# Altium PCB BA-77GHz-Radar_Frontend.PcbDoc (part 1 of 4)
Units mm, origin at the board's own origin, x right, y up, seen from the top; angles counter-clockwise.
Board outline 160 x 110 mm, 6 copper layers (Top Copper, Signal Layer 1, Signal Layer 2, Signal Layer 3, Signal Layer 4, Bot Copper), stack 1.67 mm thick; 271 components, 238 nets, 1207 pads, 1481 vias.
Unrouted connection lines stored in the file: 391.
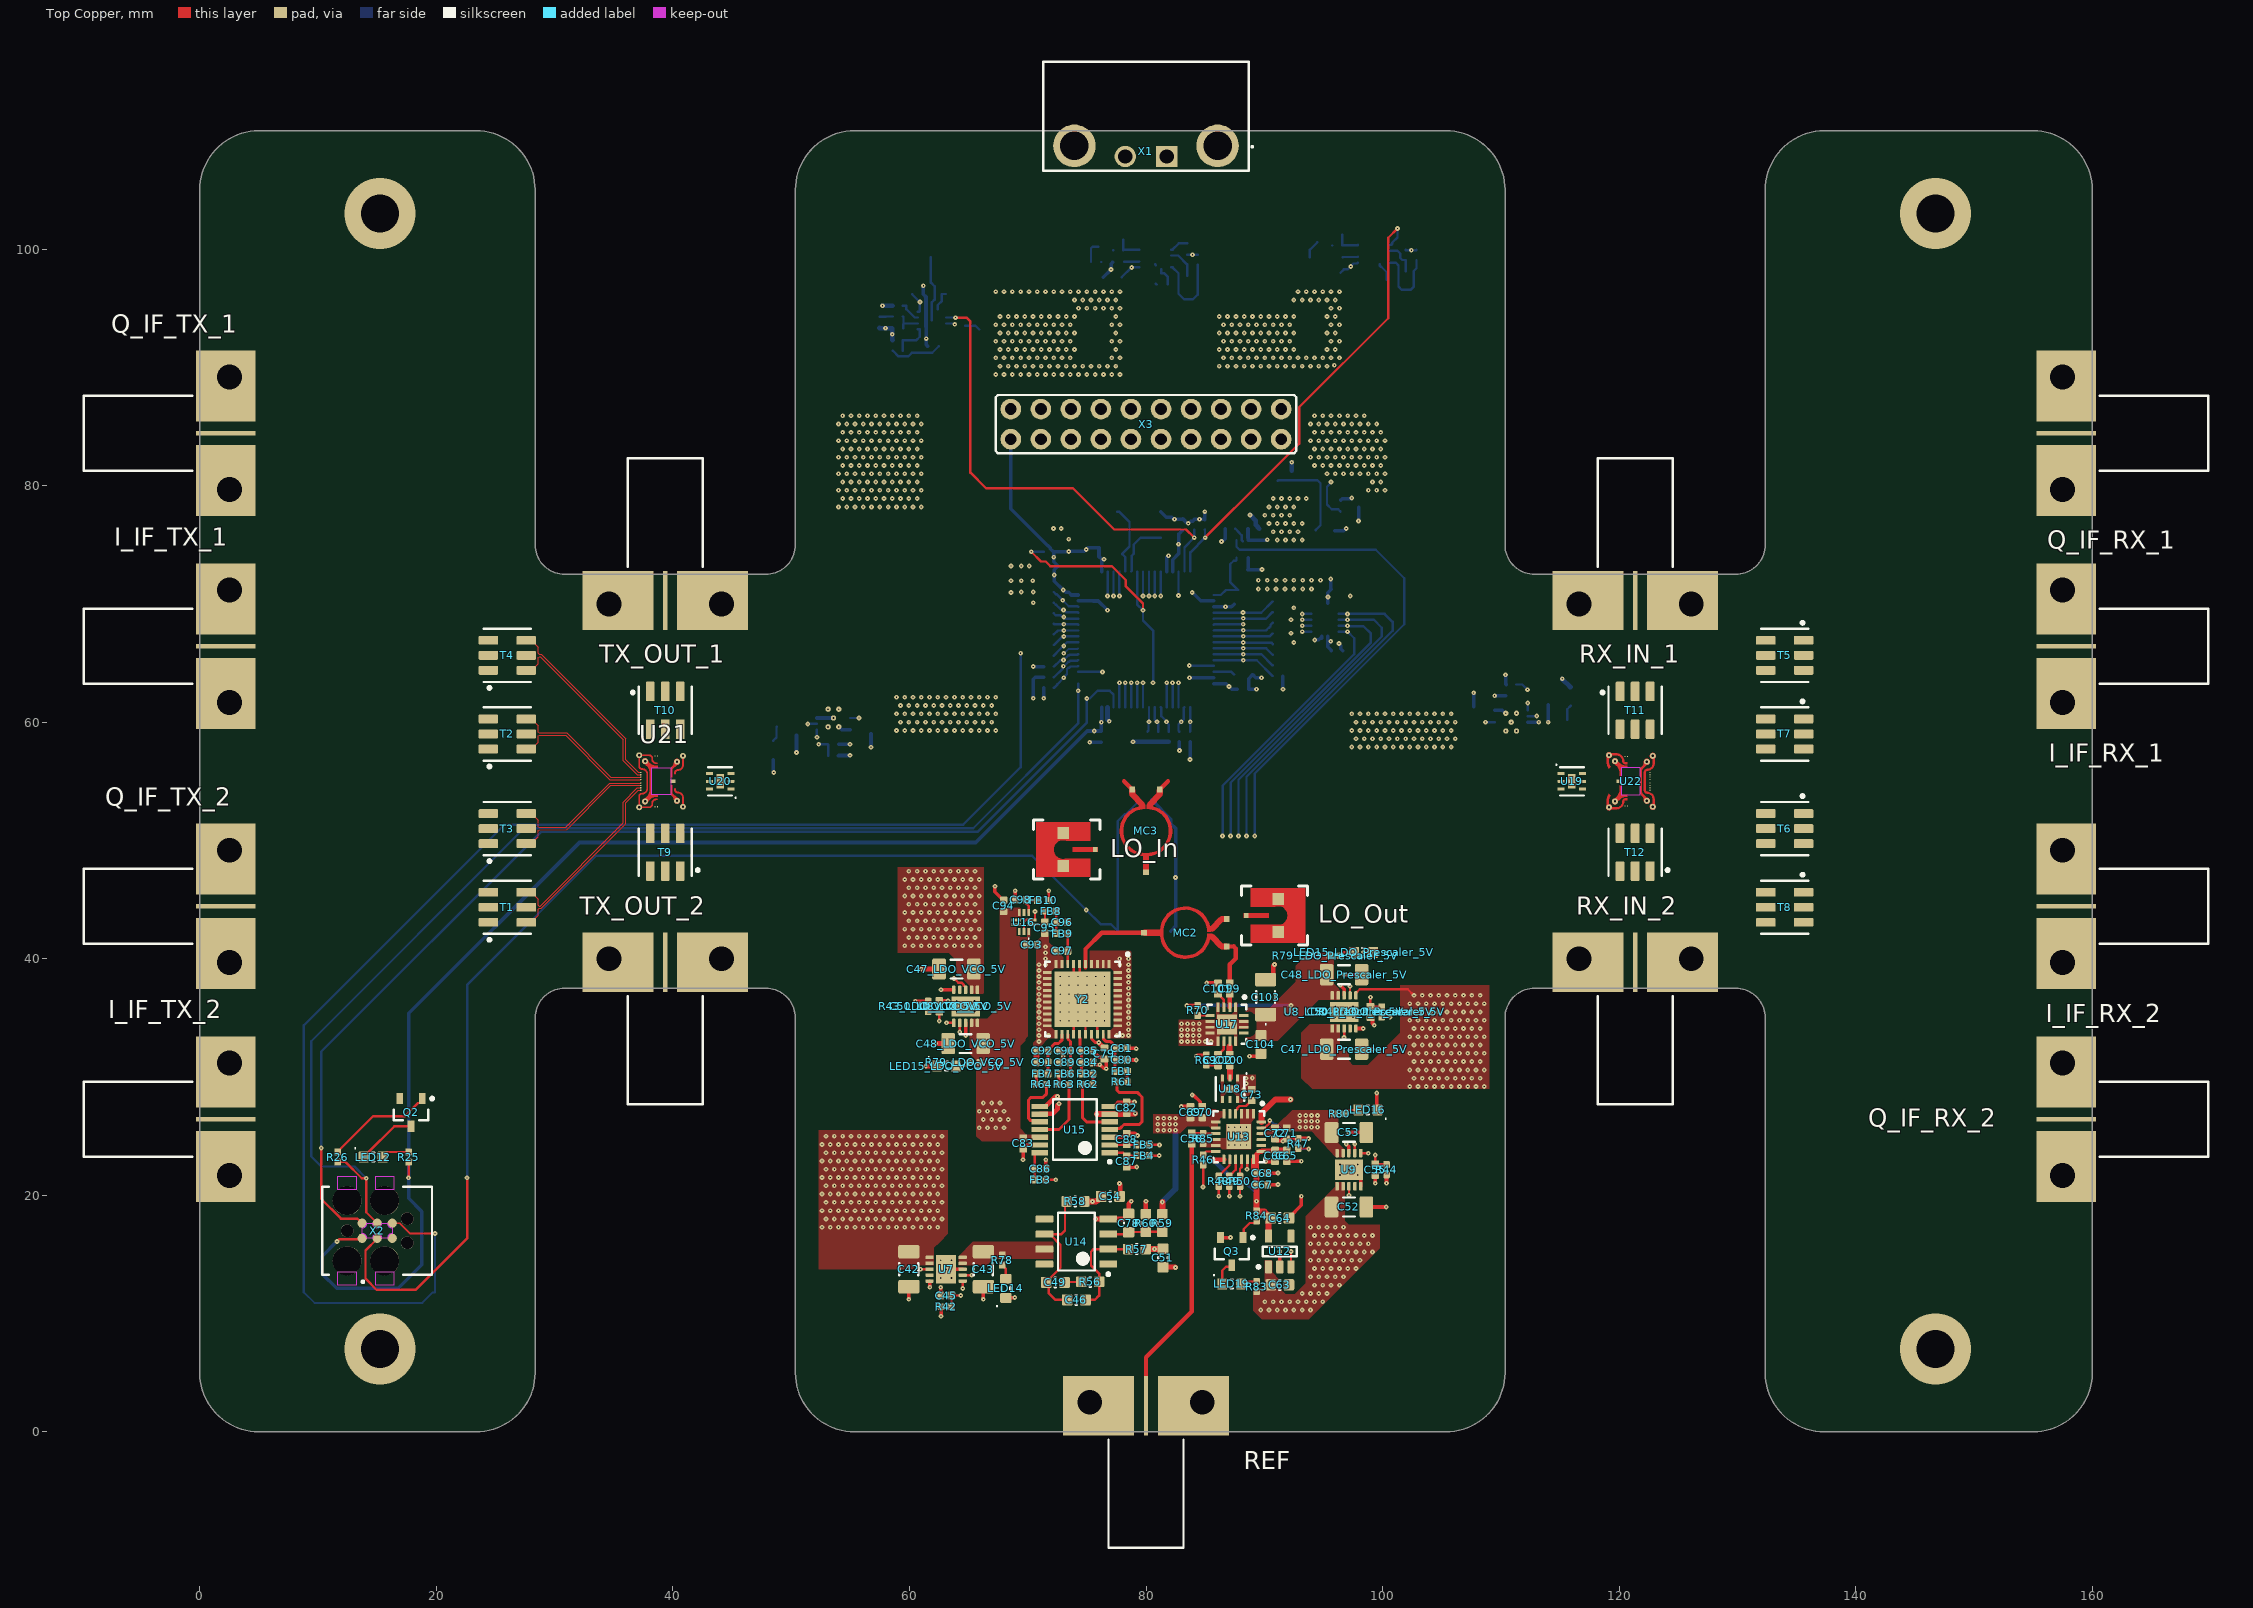
[diagram p0: Top Copper view]
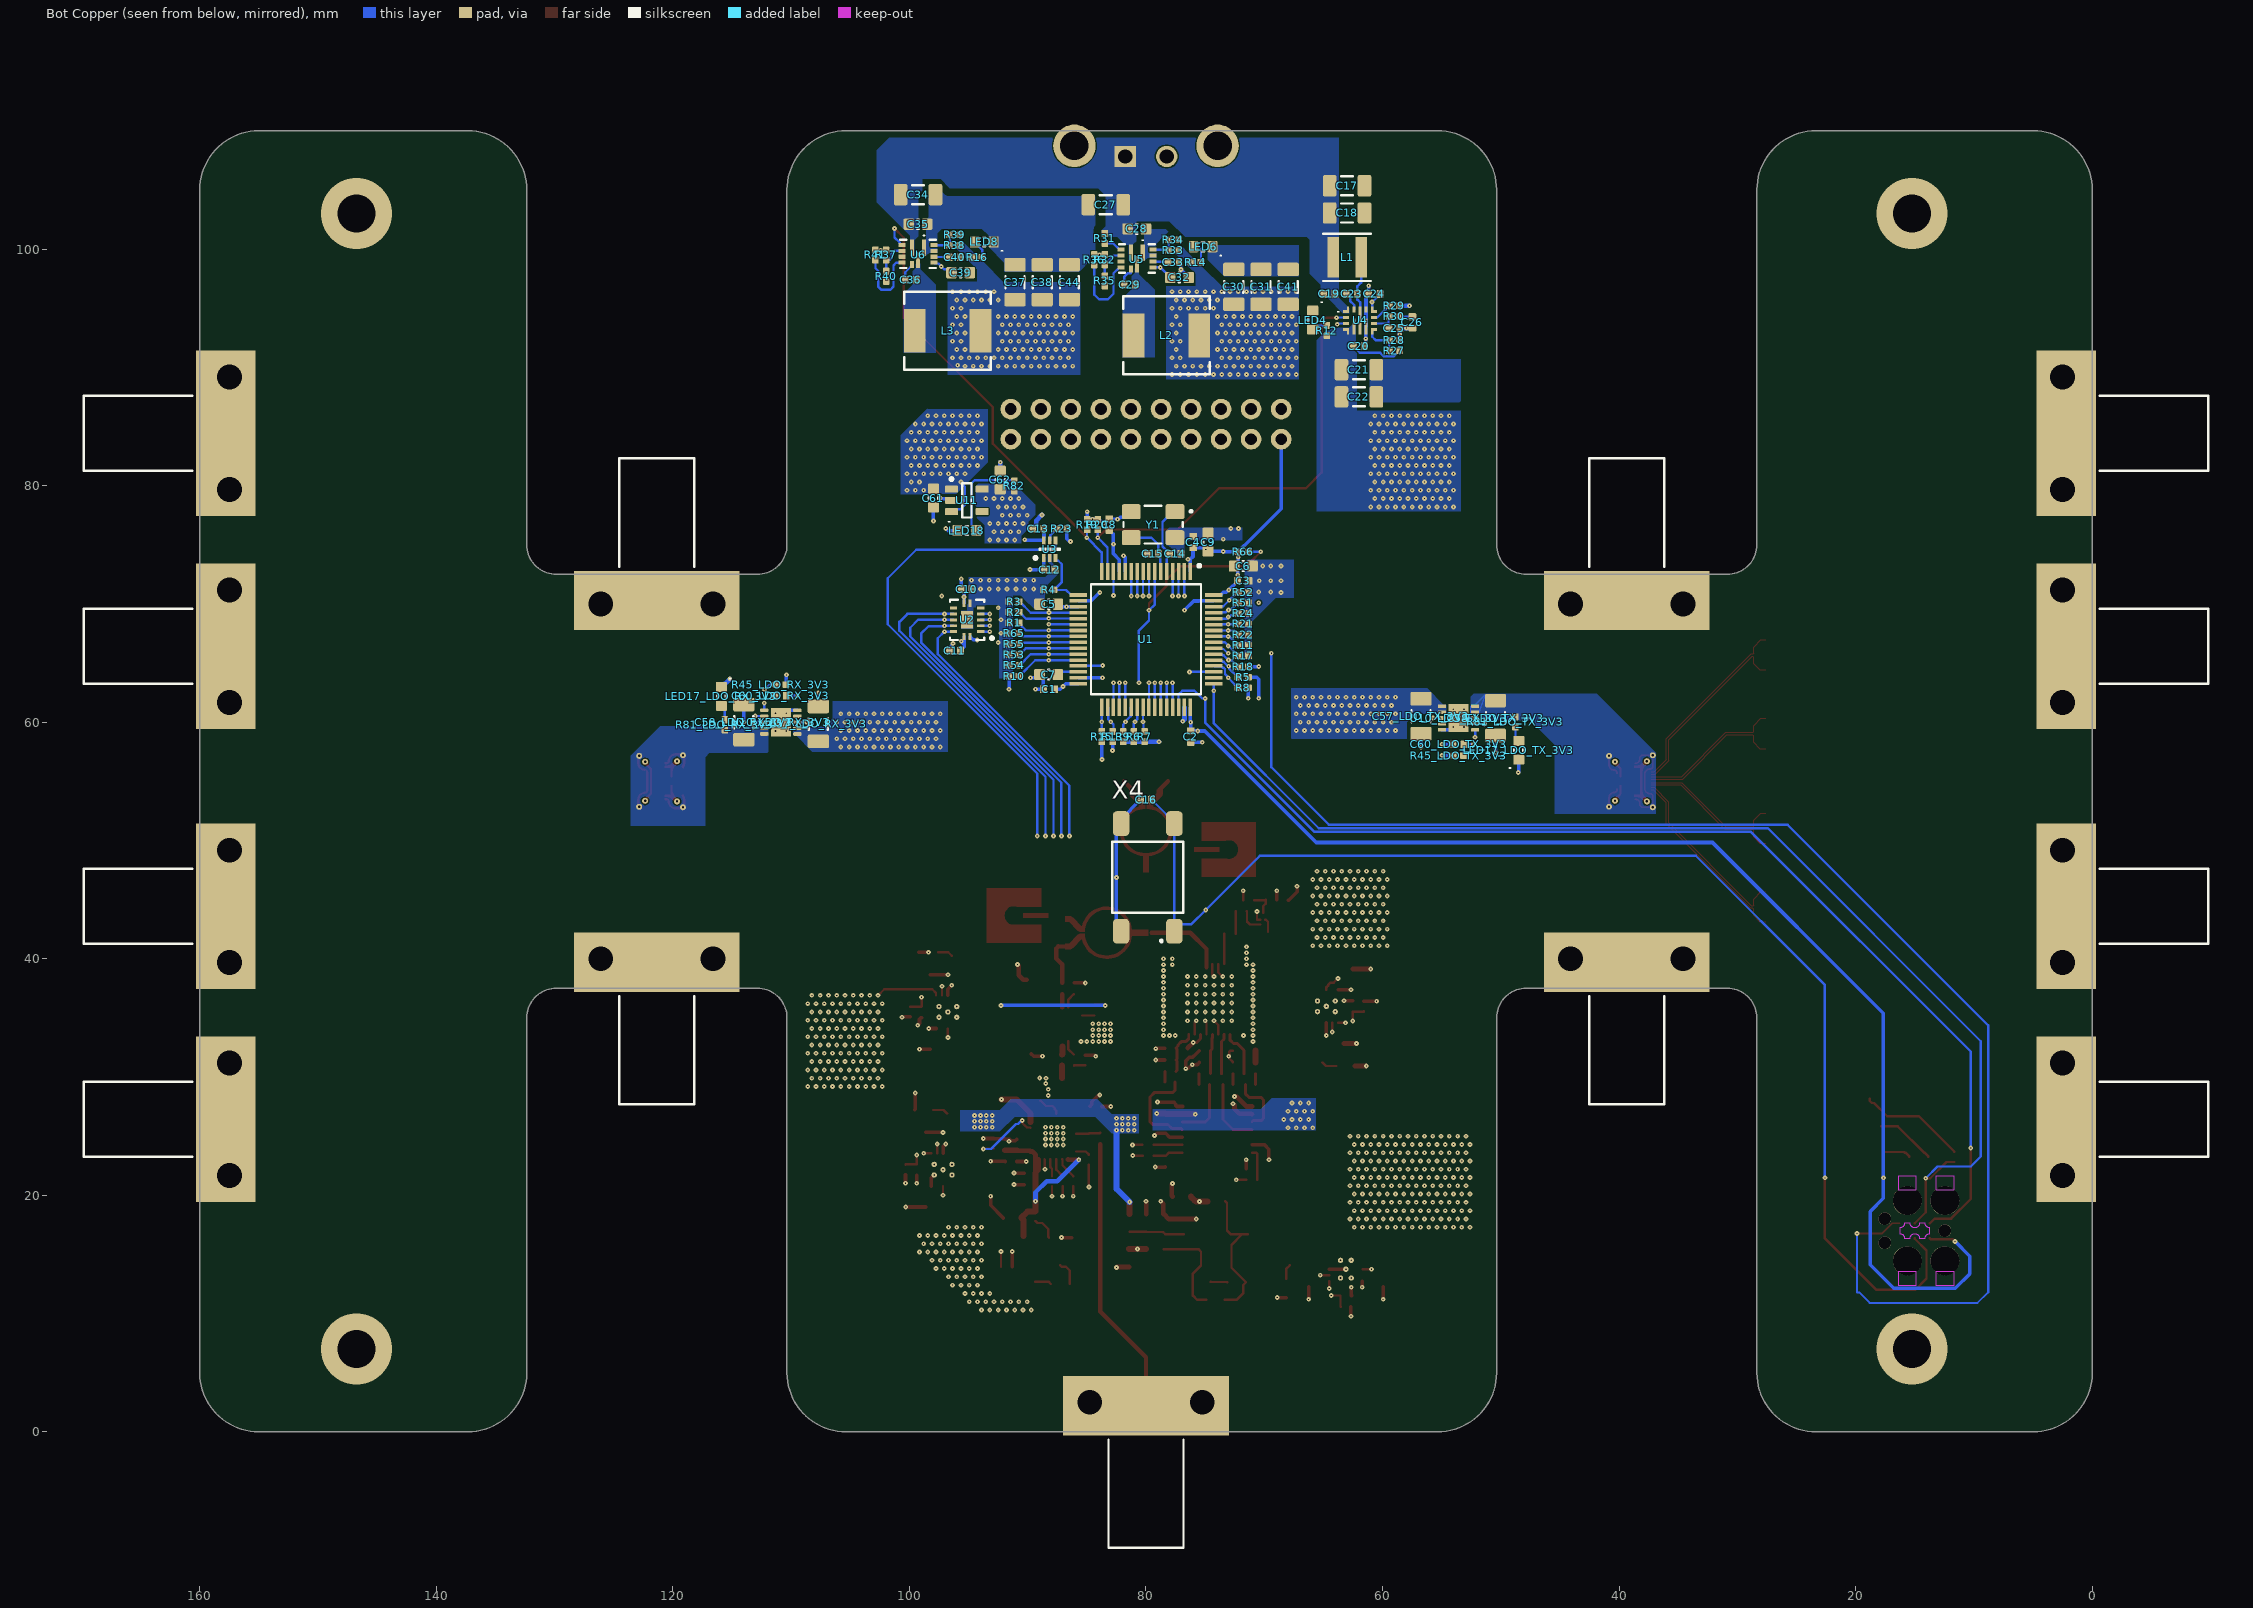
[diagram p1: Bot Copper view, seen from below]
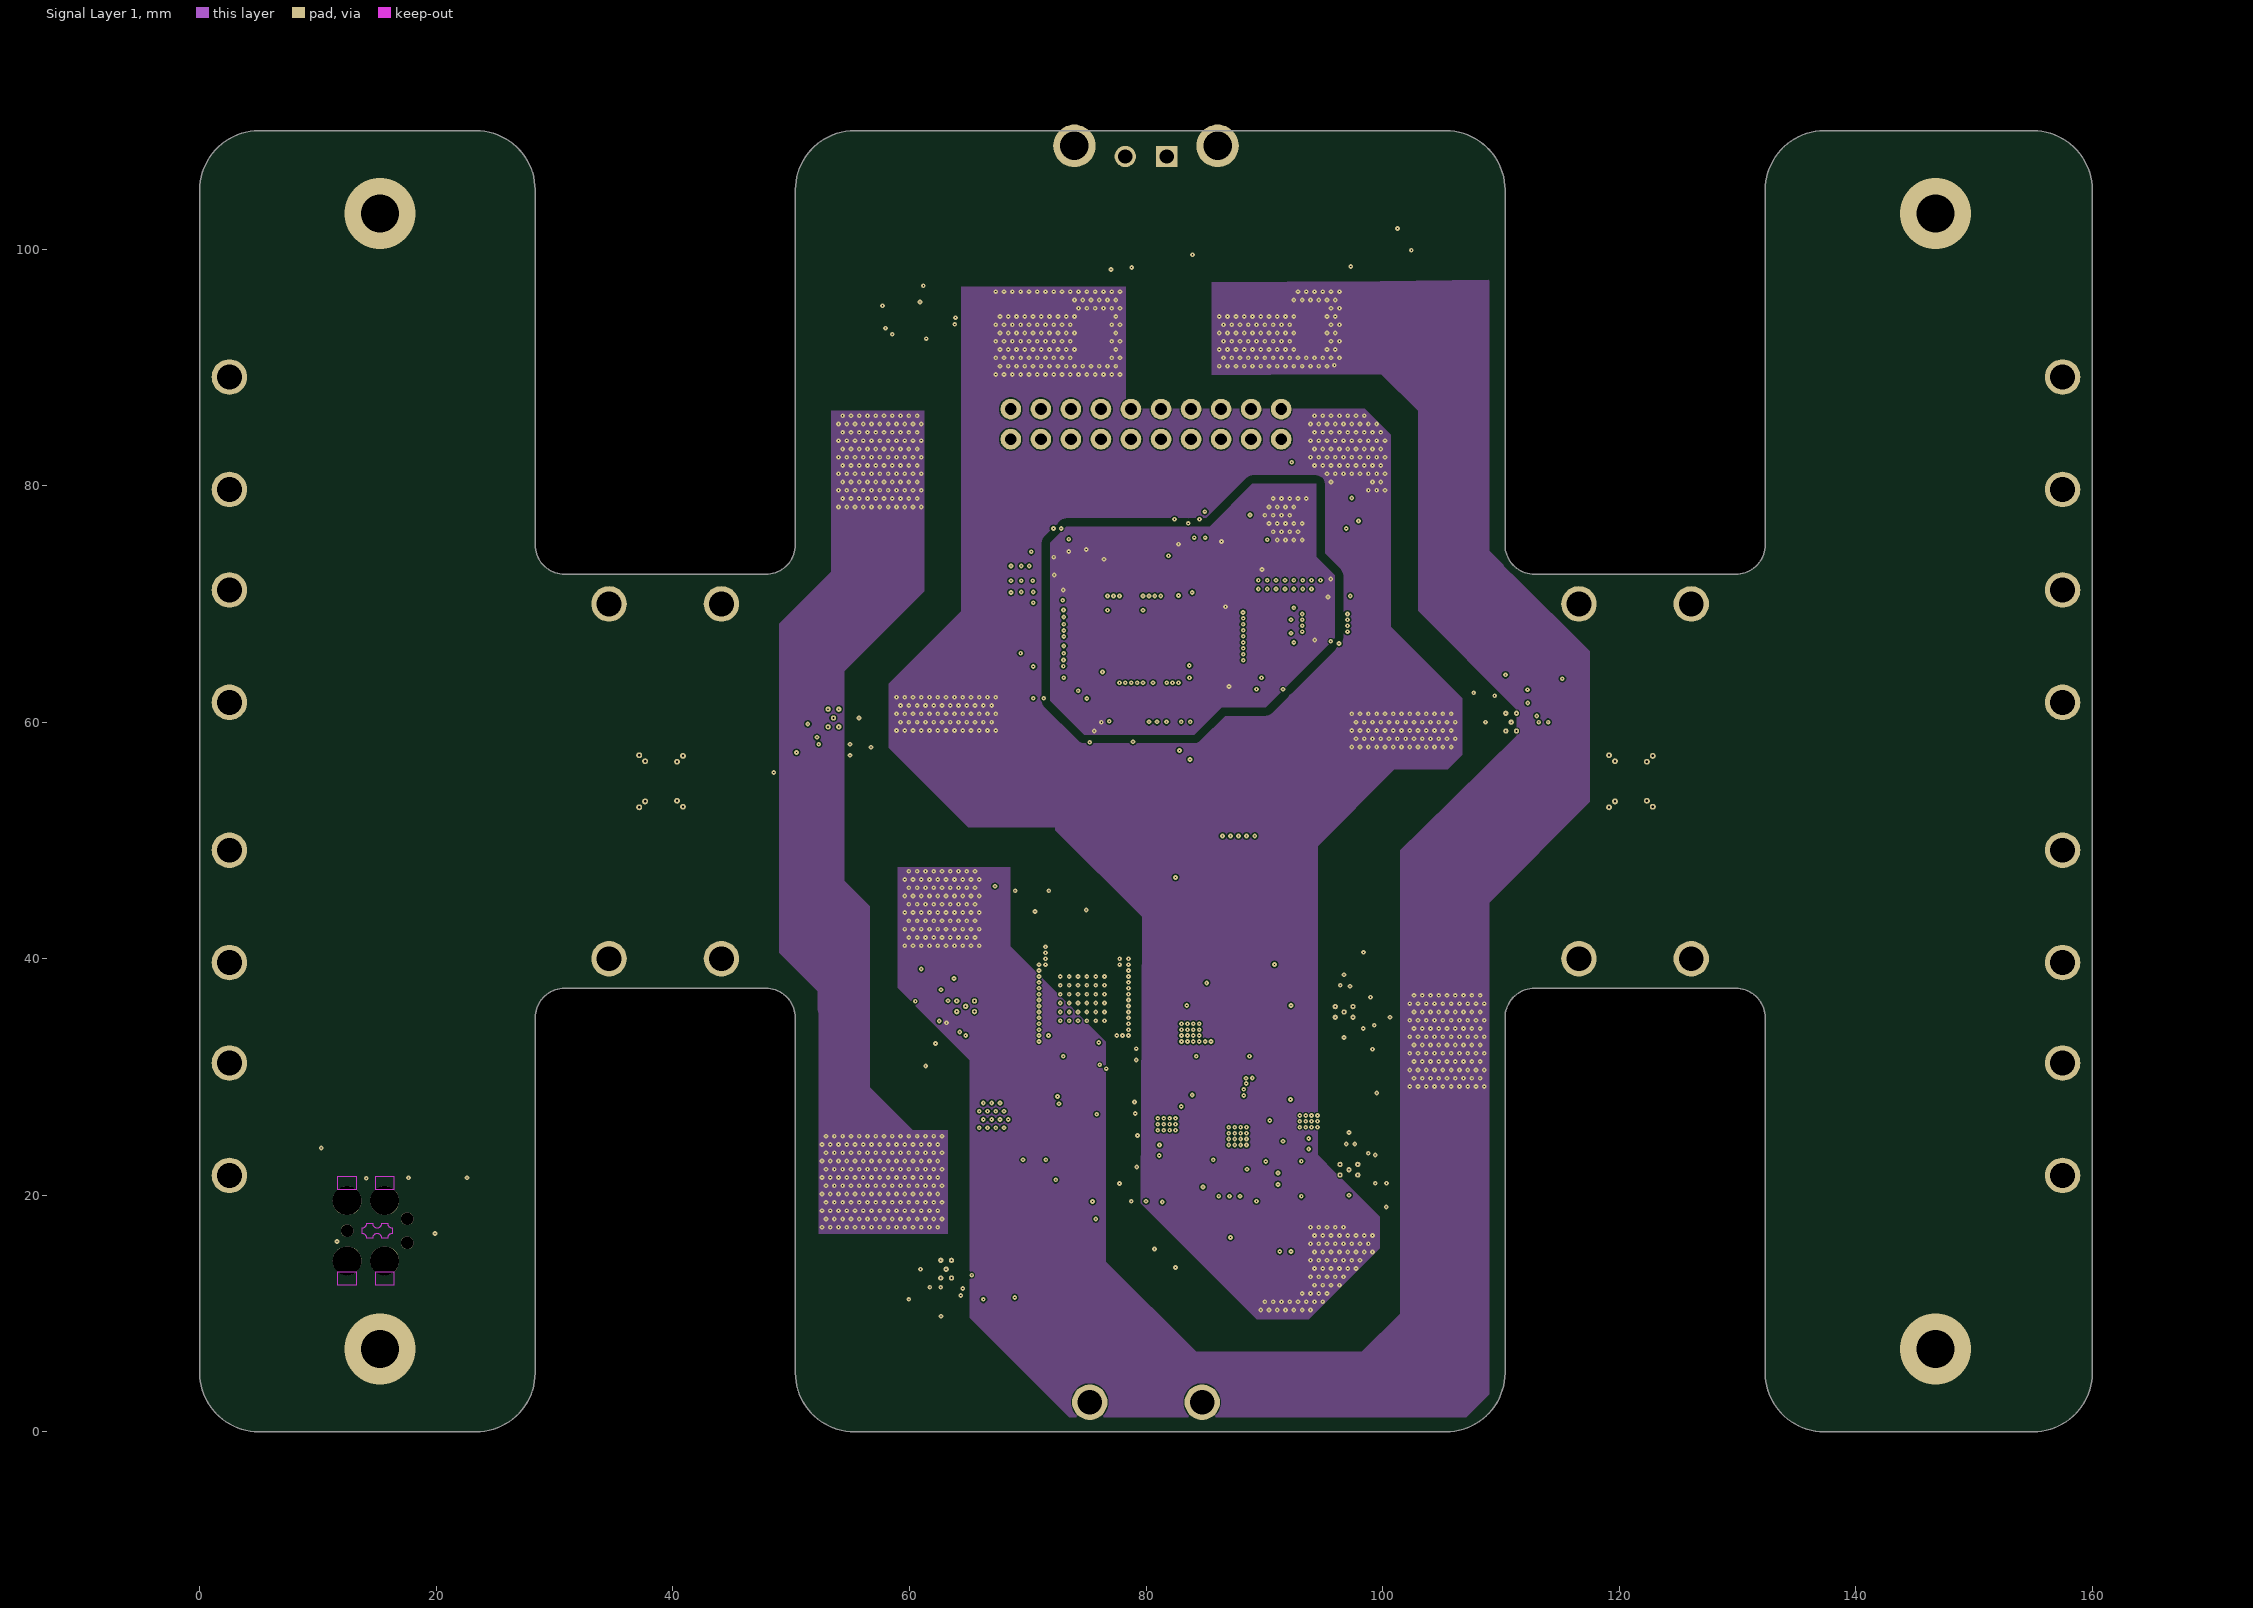
[diagram p2: Signal Layer 1]